# Altium PCB Mynd_Main.PcbDoc (part 4 of 5) (continued)
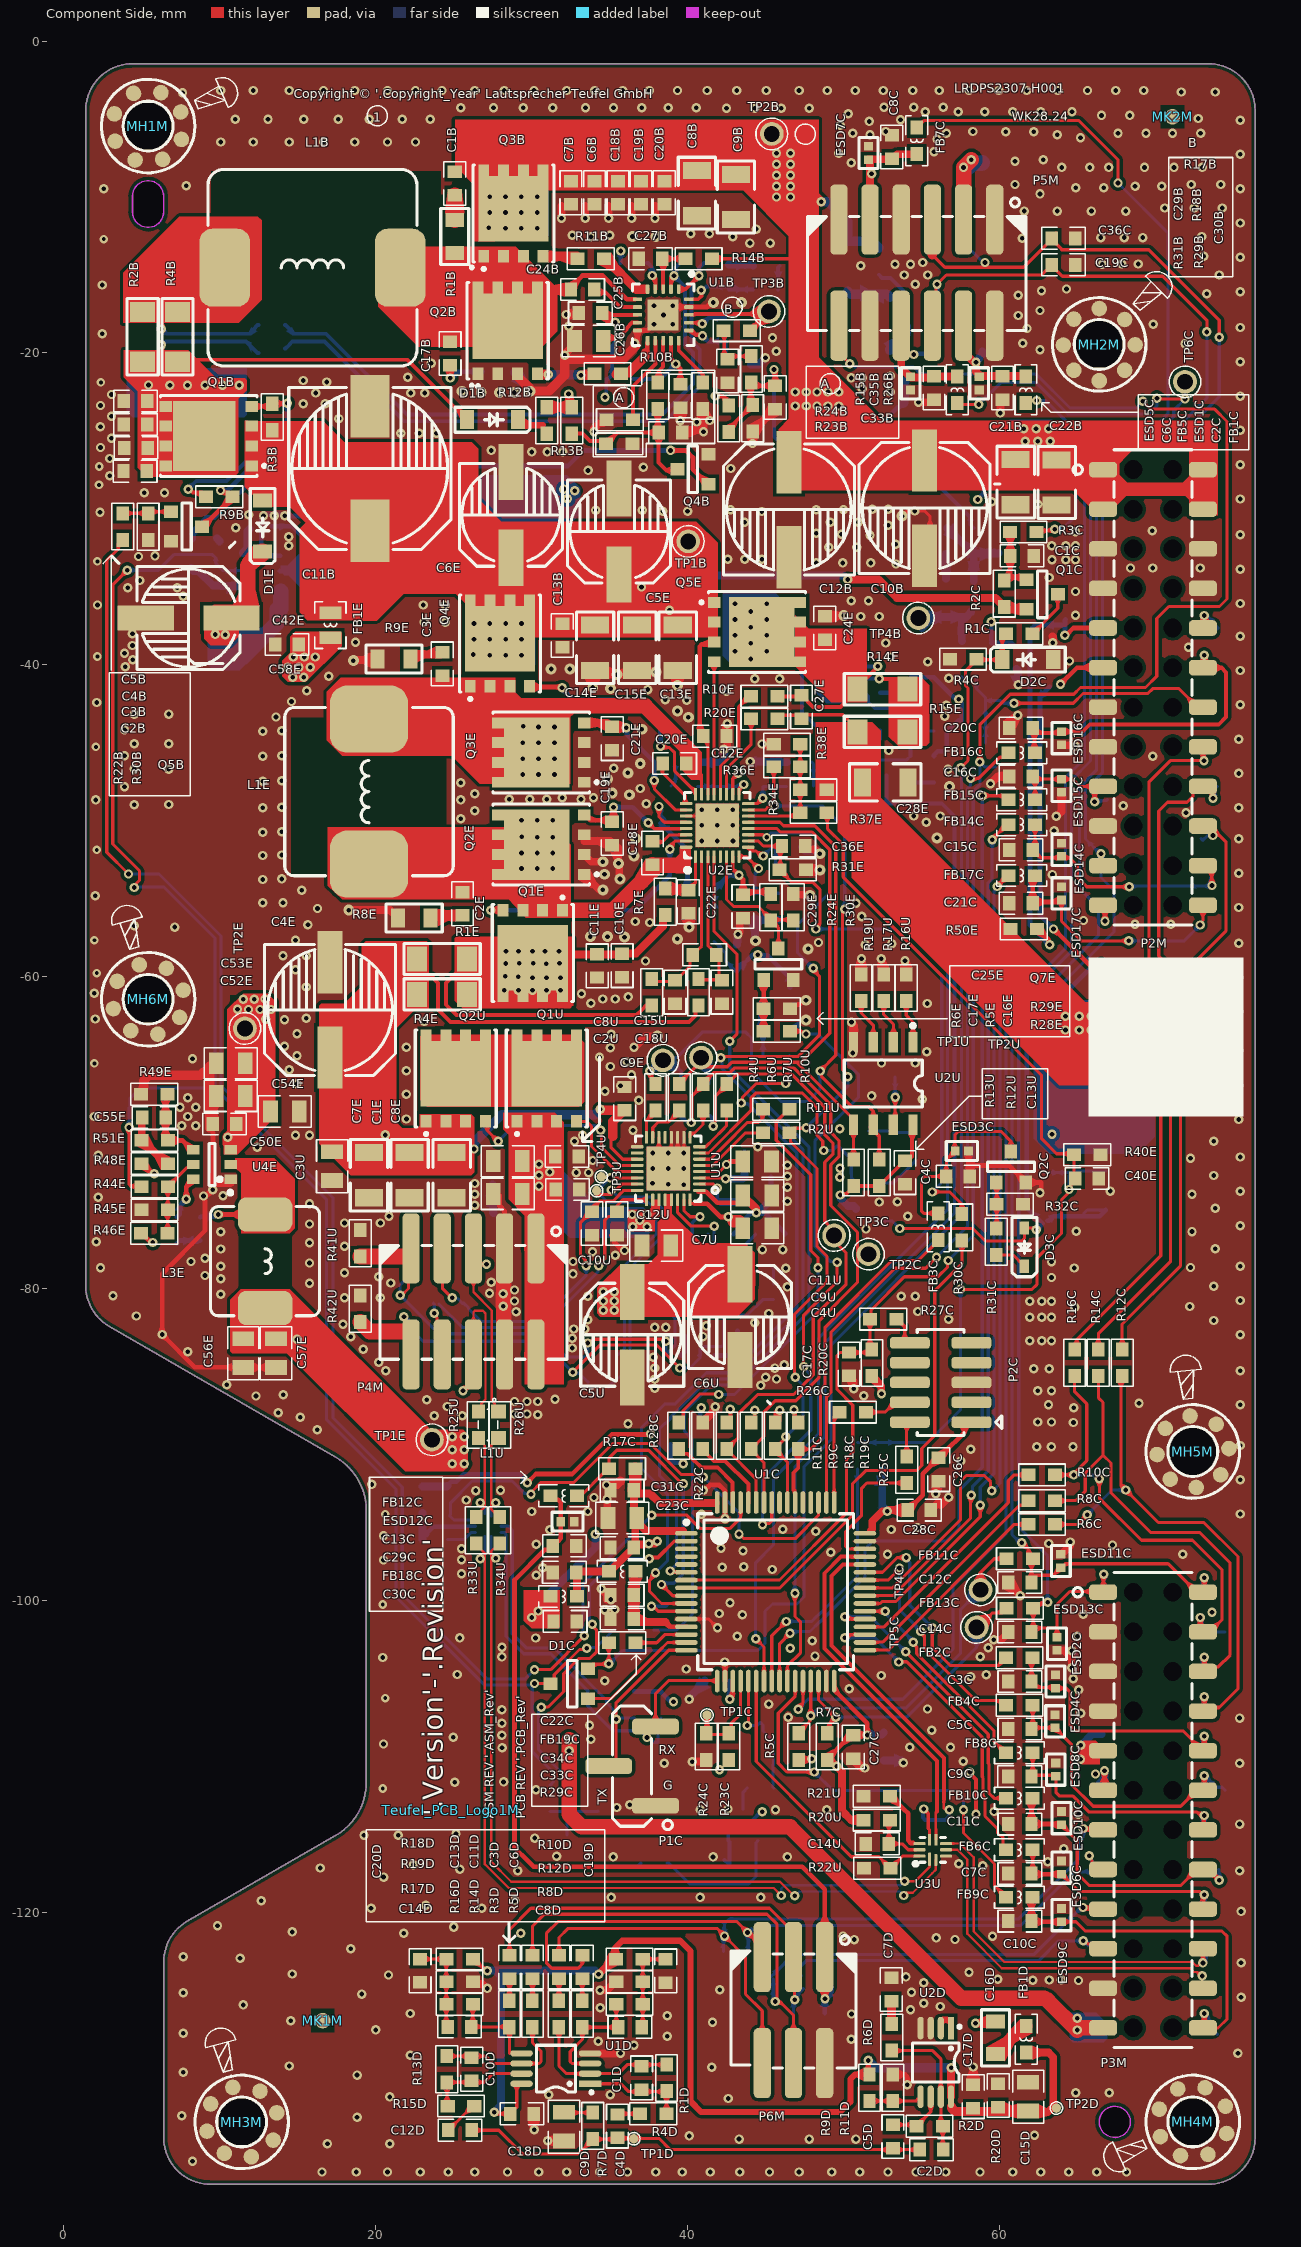
[diagram p0: Component Side view]
## Nets (pads, with @x,y where several pads share a name; then routed paths per layer and width w, separated by ;. In a path a pad name is that pad's centre, name@x,y a point inside that pad or via, vN(x,y) a via of type N, cw(c..) or ccw(c..) an arc to the next point about the centre after c; other vN are vias at no path point) (continued)
NetQ2C_G: Q2C.G R31C.2 R32C.1 | length 2.9
  Component Side w0.2: Q2C.G@59.787,-73.2 59.826,-73.239 R32C.1@59.826,-74.597 R31C.2@59.826,-76.121
NetQ2U_4: Q2U.4 U1U.20 | length 12.6
  Component Side w0.2: Q2U.4@27.037,-69.282 27.15,-69.395 27.15,-69.865 27.332,-70.047 v1(27.851,-70.565) ; v1(34.42,-69.85) 34.48,-69.91 34.48,-70.93 35.658,-72.108 U1U.20@36.762,-72.108
  Solder Side w0.2: v1(27.851,-70.565) 28.866,-69.55 34.072,-69.55 34.372,-69.85 v1(34.42,-69.85)
NetQ3B_4: Q3B.4 R11B.2 | length 2.2
  Component Side w0.6: Q3B.4@30.738,-13.807 R11B.2@32.908,-13.807
NetQ3C_D: Q3C.D R21C.2 | length 1.5
  Solder Side w0.2: Q3C.D@43.561,-113.411 43.561,-112.307 R21C.2@43.829,-112.04
NetQ3C_G: Q3C.G R36C.1 R37C.2 | length 8.8
  Solder Side w0.2: R37C.2@38.671,-116.84 R37C.2@38.721,-116.84 38.771,-116.84 40.118,-118.186 43.915,-118.186 44.386,-117.715 R36C.1@44.386,-116.917 44.386,-115.536 Q3C.G@44.511,-115.411
NetQ3U_G: Q3U.G R8U.2 R15U.1 | length 2.9
  Solder Side w0.2: Q3U.G@51.6,-69.9 52.9,-69.9 R15U.1@53,-70 R8U.2@54.5,-70
NetQ4B_G: Q4B.G Q5B.D R9B.2 | length 38.3
  Component Side w0.3: Q5B.D@8.867,-31.132 8.917,-31.132 10.517,-29.532 10.517,-29.482 10.767,-29.232 R9B.2@10.817,-29.232 ; v1(10.047,-28.816) 10.128,-28.816 10.294,-28.982 10.517,-28.982 10.615,-29.08 R9B.2@10.615,-29.384 ; v1(38.9,-26.25) 39.885,-26.25 40.342,-26.707 40.342,-27.457 Q4B.G@41.367,-28.482
  Solder Side w0.3: v1(10.047,-28.816) 10.05,-28.812 10.504,-28.812 13.066,-26.25 22.117,-26.25 23.117,-27.25 32.3,-27.25 33.3,-26.25 v1(38.9,-26.25)
NetQ4C_D: Q4C.D R37C.1 | length 3.9
  Solder Side w0.2: Q4C.D@33.223,-117.053 36.808,-117.053 R37C.1@37.021,-116.84
NetQ4C_G: Q4C.G R39C.2 R40C.2 R41C.1 | length 4.8
  Solder Side w0.2: R40C.2@31.192,-113.55 32.703,-113.55 R39C.2@32.715,-113.538 ; Q4C.G@32.273,-115.053 32.273,-114.03 32.715,-113.588 R39C.2@32.715,-113.538 ; R41C.1@34.264,-113.523 34.249,-113.538 R39C.2@32.715,-113.538
NetQ4E_4: Q4E.4 U2E.24 | length 15.2
  Component Side w0.2: v1(38.267,-45.232) 38.344,-45.309 38.84,-45.309 39.167,-45.635 39.167,-46.823 39.969,-47.625 40.5,-48.156 U2E.24@40.5,-48.3
  Component Side w0.3: Q4E.4@29.872,-41.382 29.914,-41.424 31.909,-41.424 v1(31.951,-41.465)
  Solder Side w0.3: v1(31.951,-41.465) 31.951,-41.547 32.636,-42.232 36.817,-42.232 38.267,-43.682 v1(38.267,-45.232)
NetQ4U_D: Q4U.D R36U.1 | length 1.3
  Solder Side w0.2: Q4U.D@45.3,-78.5 45.5,-78.7 R36U.1@45.5,-79.7
NetQ5B_G: Q5B.G R22B.2 R30B.1 | length 3.2
  Component Side w0.2: R22B.2@3.767,-30.282 R30B.1@5.418,-30.282 ; R30B.1@5.4,-30.3 R30B.1@5.418,-30.282 ; Q5B.G@6.867,-30.182 5.518,-30.182 R30B.1@5.418,-30.282
NetQ5E_4: Q5E.4 U2E.21 | length 8.5
  Component Side w0.2: U2E.21@41.7,-48.3 Q5E.4@41.7,-39.805
NetQ5U_D: Q5U.D R35U.1 | length 1.4
  Solder Side w0.2: 40.7,-78.6 41.8,-78.6 Q5U.D@42,-78.4
NetQ6B_D: Q6B.D R32B.1 | length 2.9
  Solder Side w0.6: R32B.1@50.267,-16.032 50.467,-16.232 52.767,-16.232 52.817,-16.282 52.867,-16.282 52.967,-16.382 Q6B.D@52.967,-16.432
NetQ6B_G: Q6B.G Q7B.D R34B.1 | length 6.3
  Solder Side w0.25: R34B.1@52.267,-14.982 52.48,-15.195 53.011,-15.195 54.042,-16.226 Q6B.G@54.042,-18.307
  Solder Side w0.6: Q7B.D@52.967,-19.832 52.967,-19.782 54.042,-18.707 Q6B.G@54.042,-18.307
NetQ6E_D: Q6E.D R16E.1 R17E.1 U2E.18 | length 24
  Component Side w0.2: U2E.18@42.9,-48.3 42.9,-47.3 v1(43.25,-46.95)
  Mid Layer 2 w0.2: v1(43.25,-46.95) 45.631,-46.95 46.155,-47.474 46.155,-56.935 v1(44.5,-58.59)
  Solder Side w0.2: R17E.1@41.7,-57.75 42.425,-58.475 42.425,-58.975 R16E.1@43.1,-59.65
  Solder Side w0.3: R16E.1@43.175,-59.65 43.175,-59.6 43.425,-59.35 44.185,-58.59 v1(44.5,-58.59) 44.557,-58.647 45.132,-58.647 46.511,-60.026 46.511,-60.636 Q6E.D@46.575,-60.7
NetQ6E_G: Q6E.G R18E.2 R23E.2 | length 3.5
  Solder Side w0.2: Q6E.G@44.625,-61.65 44.625,-63.25 R23E.2@44.875,-63.5 44.84,-63.535 R18E.2@44.84,-65.072
NetQ6U_D: Q6U.D R40U.2 | length 2.7
  Solder Side w0.3: R40U.2@41.7,-84.3 42.6,-84.3 43.2,-83.7 Q6U.D@43.2,-82.7
NetQ7B_G: Q7B.G R35B.2 R36B.1 | length 3.7
  Solder Side w0.3: R35B.2@52.15,-24.75 52.2,-24.75 53.468,-23.482 53.567,-23.482 R36B.1@53.817,-23.232
  Solder Side w0.6: R36B.1@53.817,-23.232 53.867,-23.182 53.867,-21.882 Q7B.G@53.917,-21.832
NetQ7E_D: Q7E.D R24E.2 R30E.1 U2E.6 | length 9.6
  Component Side w0.2: U2E.6@42.5,-52.3 42.5,-55.05 42.95,-55.5 44.55,-55.5 R24E.2@45.4,-56.35 ; Q7E.D@45.825,-58.1 45.825,-56.85 45.325,-56.35 R24E.2@45.4,-56.35 ; R30E.1@46.825,-56.35 R24E.2@45.4,-56.35
NetQ7E_G: Q7E.G R28E.2 R29E.2 | length 3.3
  Component Side w0.3: R28E.2@44.875,-63.5 Q7E.G@44.875,-60.2
NetQ7U_D: Q7U.D R39U.2 | length 1.3
  Solder Side w0.3: R39U.2@39.6,-84.3 39.6,-84.25 39.7,-84.15 39.724,-84.15 39.9,-83.974 Q7U.D@39.9,-83.089
NetR2U_2: R2U.2 U1U.5 | length 4.9
  Component Side w0.2: U1U.5@40.762,-72.108 41.617,-72.108 42.107,-71.618 42.447,-71.278 43.7,-70.025 44.131,-70.025 R2U.2@44.84,-70.025
NetR3U_1: R3U.1 R5U.2 U1U.2 | length 3.7
  Component Side w0.2: U1U.2@40.762,-73.308 41.658,-73.308 v1(41.9,-73.55)
  Solder Side w0.2: v1(41.9,-73.55) 41.9,-74.2 R3U.1@42.15,-74.45
  Solder Side w0.5: R3U.1@42.15,-74.45 R5U.2@43.65,-74.45
NetR4U_2: R4U.2 U1U.16 | length 2
  Component Side w0.2: U1U.16@37.362,-70.308 37.362,-69.22 37.943,-68.639 R4U.2@37.943,-68.589
NetR6C_1: R6C.1 U1C.33 | length 13.8
  Component Side w0.2: U1C.33@51.369,-103.181 52.9,-103.181 60.95,-95.131 R6C.1@61.878,-95.131
NetR6U_2: R6U.2 U1U.15 | length 2.8
  Component Side w0.2: U1U.15@37.762,-70.308 37.762,-69.683 38.126,-69.319 38.787,-69.319 39.467,-68.639 R6U.2@39.467,-68.589
NetR7U_2: R7U.2 U1U.9 | length 2.2
  Component Side w0.2: U1U.9@40.162,-70.308 40.162,-70.061 40.409,-70.061 40.991,-69.479 R7U.2@40.991,-68.589
NetR8C_1: R8C.1 U1C.34 | length 14.3
  Component Side w0.2: U1C.34@51.375,-102.7 51.394,-102.681 52.511,-102.681 61.285,-93.907 61.578,-93.907 R8C.1@61.878,-93.607
NetR9D_2: R9D.2 R11D.2 U2D.5 | length 3.1
  Component Side w0.2: R9D.2@51.917,-132.107 R11D.2@53.167,-132.107 54.667,-132.107 U2D.5@54.942,-131.832
NetR9U_2: R9U.2 R14U.1 U1U.3 | length 4.4
  Component Side w0.2: U1U.3@40.762,-72.908 v1@42.437,-72.908
  Solder Side w0.5: v1(42.437,-72.958) 43.542,-72.958 43.65,-72.85 R14U.1@43.65,-71.35
NetR10B_1: R10B.1 U1B.11 | length 3.3
  Component Side w0.3: 37.327,-19.992 37.403,-19.915 U1B.11@37.403,-19.357
  Component Side w0.6: R10B.1@35.408,-21.382 35.508,-21.282 36.217,-21.282 37.267,-20.232 37.267,-20.051 37.327,-19.992
NetR10C_1: R10C.1 U1C.36 | length 15.4
  Component Side w0.2: U1C.36@51.375,-101.7 52.603,-101.7 60.569,-93.734 60.569,-92.337 60.95,-91.956 R10C.1@61.878,-91.956
NetR10E_1: R10E.1 U2E.20 | length 7.2
  Component Side w0.2: U2E.20@42.1,-48.3 42.1,-46.525 43.28,-45.345 43.28,-42.695 R10E.1@44.075,-41.9
NetR10U_2: R10U.2 U1U.8 | length 3.3
  Component Side w0.2: U1U.8@40.762,-70.908 41.162,-70.908 41.694,-70.376 42.226,-69.844 42.498,-69.572 42.498,-68.605 R10U.2@42.515,-68.589
NetR11B_1: R11B.1 U1B.5 | length 3.2
  Component Side w0.6: R11B.1@34.838,-14.036 36.708,-15.907 37.258,-15.907
NetR11U_1: R11U.1 U1U.6 | length 5.7
  Component Side w0.2: U1U.6@40.762,-71.708 41.479,-71.708 41.727,-71.46 42.289,-70.898 43.843,-69.345 44.54,-69.345 44.801,-69.083 44.801,-68.539 R11U.1@44.84,-68.501
NetR12E_1: R12E.1 R22E.2 | length 1.5
  Solder Side w0.25: R22E.2@54.3,-47.55 R12E.1@55.8,-47.55
NetR13E_2: R13E.2 U1E.1 | length 3.4
  Solder Side w0.25: R13E.2@51.05,-47.1 51.05,-46.075 52.35,-44.775 U1E.1@52.35,-44.2
NetR14E_1: R14E.1 R15E.2 R21E.2 | length 8.3
  Component Side w0.25: v1(52.3,-40.9) 53.585,-40.9 54.1,-41.415 R15E.2@54.1,-44.3
  Solder Side w0.25: R21E.2@49.05,-40.6 49.325,-40.875 52.275,-40.875 v1(52.3,-40.9)
NetR15B_2: R15B.2 U1B.13 | length 2.8
  Component Side w0.25: R15B.2@38.083,-21.907 38.158,-21.832 38.158,-21.157 38.433,-20.882 U1B.13@38.433,-19.207
NetR16U_1: R16U.1 U2U.1 | length 2.8
  Component Side w0.2: R16U.1@54.025,-61.575 54.025,-62.485 54.453,-62.913 U2U.1@54.453,-64.2
NetR17B_2: R17B.2 TP3B.1 U1B.18 | length 6.8
  Component Side w0.25: U1B.18@40.258,-17.552 40.444,-17.552 40.484,-17.512 45.037,-17.512 TP3B.1@45.217,-17.332 45.217,-17.399 44.051,-18.566 R17B.2@44.001,-18.566
NetR17U_1: R17U.1 U2U.2 | length 2.9
  Component Side w0.2: R17U.1@52.575,-61.575 52.575,-62.432 53.203,-63.06 53.203,-64.026 U2U.2@53.334,-64.157
NetR18E_1: R18E.1 U1C.10 | length 47.7
  Component Side w0.2: v1(37.943,-98.237) 37.943,-98.324 37.562,-98.705 37.562,-99.431 38.331,-100.2 U1C.10@39.925,-100.2 ; v1(43.446,-68.104) 43.523,-68.027 43.523,-67.727 44.4,-66.85 v1(46.3,-66.85)
  Solder Side w0.2: v1(37.943,-98.237) 38.7,-97.48 38.7,-93.2 37.04,-91.54 37.04,-88.914 38.554,-87.4 39.213,-87.4 41.213,-85.4 42.8,-85.4 47,-81.2 47,-71.3 43.849,-68.149 43.492,-68.149 v1(43.446,-68.104) ; v1@46.54,-66.947 R18E.1@46.54,-65.072
NetR18U_2: R18U.2 U2U.7 | length 3.1
  Component Side w0.2: U2U.7@53.183,-69.5 53.31,-69.373 v1(53.31,-67.739)
  Solder Side w0.2: v1(53.31,-67.739) R18U.2@53.31,-66.431
NetR19U_1: R19U.1 U2U.3 | length 3
  Component Side w0.2: R19U.1@51.125,-61.575 51.141,-61.59 51.141,-62.335 51.913,-63.107 U2U.3@51.913,-64.237
NetR20B_2: R20B.2 U1B.4 | length 1.9
  Component Side w0.25: v1(37.733,-15.032) 37.933,-15.232 U1B.4@37.933,-15.907
  Solder Side w0.25: R20B.2@37.408,-14.232 37.458,-14.232 37.733,-14.507 v1(37.733,-15.032)
NetR20E_2: R20E.2 U2E.19 | length 5.5
  Component Side w0.2: U2E.19@42.5,-48.3 42.5,-46.675 44.075,-45.1 R20E.2@44.075,-43.5
NetR21U_2: R21U.2 U3U.8 | length 3.7
  Component Side w0.3: R21U.2@52.978,-112.57 53.028,-112.57 53.917,-113.459 53.945,-113.459 54.149,-113.663 54.149,-115.392 54.324,-115.568 54.463,-115.568
NetR22C_2: R22C.2 U1C.60 | length 5
  Component Side w0.25: R22C.2@40.975,-90.35 41.678,-91.054 41.997,-91.054 41.998,-91.055 42.405,-91.055 43.9,-92.55 U1C.60@43.9,-93.75
NetR22U_2: R22U.2 U1C.22 U3U.10 | length 18.7
  Component Side w0.2: U1C.22@44.4,-105.188 44.4,-110.339 48.744,-114.682 50.503,-116.442 52.278,-116.442 R22U.2@52.978,-117.142 ; R22U.2@53.017,-117.182 53.8,-116.399 U3U.10@54.873,-116.399
NetR24B_1: R24B.1 U1B.12 | length 5.7
  Component Side w0.25: R24B.1@36.508,-24.282 36.508,-22.832 36.508,-22.132 37.933,-20.707 U1B.12@37.933,-19.207
NetR26B_1: R26B.1 U1B.15 | length 3.3
  Component Side w0.25: U1B.15@39.433,-19.207 39.433,-19.848 40.983,-21.398 R26B.1@40.983,-21.907
NetR28C_1: R28C.1 U1C.62 | length 5.7
  Component Side w0.25: R28C.1@39.425,-90.3 39.425,-90.326 39.7,-90.601 40.004,-90.601 40.226,-90.823 40.226,-90.833 40.448,-91.055 40.458,-91.055 40.887,-91.484 41.934,-91.484 42.89,-92.44 U1C.62@42.89,-93.74
NetR28E_1: R28E.1 U1C.57 | length 40.6
  Component Side w0.2: v1(44.8,-95.15) 44.877,-95.073 45.236,-95.073 45.4,-94.91 U1C.57@45.4,-93.75 ; R28E.1@46.575,-63.5 47.311,-63.5 47.487,-63.675 v1(47.595,-63.675) ; v1(47.442,-85) 47.442,-81.715 49.587,-79.57 v1@49.587,-78.318
  Solder Side w0.2: v1(44.8,-95.15) 44.8,-92.2 47.9,-89.1 47.9,-85.532 47.442,-85.074 v1(47.442,-85) ; v1(47.595,-63.675) 48.355,-63.675 50.968,-66.288 50.968,-67.722 48.16,-70.53 48.16,-77.26 49.178,-78.278 49.548,-78.278 v1(49.587,-78.317)
NetR29C_1: R29C.1 U1C.14 | length 3.5
  Component Side w0.2: R29C.1@36.661,-102.718 38.016,-102.718 38.534,-102.2 U1C.14@39.95,-102.2
NetR29U_2: R29U.2 U1C.51 U4U.10 | length 33.3
  Component Side w0.2: v1(29.961,-93.193) 29.961,-93.085 30.616,-92.431 32.719,-92.431 35.209,-89.941 37.604,-89.941 39.596,-91.933 40.683,-91.933 40.723,-91.973 40.777,-91.973 40.892,-92.089 v1(41,-92.089) ; v1(43.3,-95.751) 43.324,-95.751 43.617,-96.044 46.906,-96.044 48.4,-94.55 U1C.51@48.4,-93.725
  Solder Side w0.2: R29U.2@24.738,-94.588 24.9,-94.75 24.926,-94.75 25.026,-94.85 U4U.10@26.35,-94.85 ; R29U.2@24.75,-94.55 24.783,-94.518 24.783,-93.767 26.2,-92.35 28.75,-92.35 29.553,-93.153 29.921,-93.153 v1(29.961,-93.193) ; v1(41,-92.089) 43.3,-94.389 v1(43.3,-95.751)
NetR30C_2: R30C.2 U1C.8 | length 35
  Component Side w0.2: U1C.8@39.95,-99.2 45.928,-99.2 50.577,-94.551 50.577,-92.522 51.417,-91.682 54.684,-91.682 55.017,-91.349 55.017,-90.26 55.85,-89.427 55.85,-80.149 57.592,-78.407 R30C.2@57.592,-76.932
NetR30U_2: R30U.2 U4U.8 | length 2
  Solder Side w0.2: R30U.2@24.6,-96.1 25.675,-96.1 26.125,-95.65 U4U.8@26.4,-95.65
NetR34E_2: R34E.2 R36E.1 R37E.2 R38E.1 U2E.14 | length 7.9
  Component Side w0.2: U2E.14@43.9,-49.7 47,-49.7 R37E.2@47.225,-49.475 ; R37E.2@47.225,-49.575 47.225,-48.125 47.225,-46.6 R38E.1@47.225,-45.075
NetR35C_2: R35C.2 U1C.11 | length 3.4
  Component Side w0.2: v1(37.689,-100.378) 37.797,-100.378 38.119,-100.7 U1C.11@39.925,-100.7
  Solder Side w0.2: v1(37.689,-100.378) 38.622,-100.378 R35C.2@38.7,-100.3
NetR39E_2: R39E.2 U1C.24 | length 16.8
  Component Side w0.2: U1C.24@45.4,-105.15 45.4,-102.274 v1(46.322,-101.352)
  Solder Side w0.2: v1(46.322,-101.352) 47.959,-101.352 48.285,-101.027 48.297,-101.027 48.467,-100.857 48.48,-100.857 48.719,-100.617 50.897,-98.439 R39E.2@50.897,-91.576
NetR41E_1: R41E.1 R43E.1 U3E.4 | length 3.8
  Solder Side w0.5: R41E.1@8.167,-33.782 8.167,-33.832 8.317,-33.982 8.632,-33.982 9.557,-34.907 10.042,-34.907 10.092,-34.957 11.417,-34.957 U3E.4@11.467,-34.907
NetR44E_2: R44E.2 R45E.2 R46E.2 U4E.5 | length 5.2
  Component Side w0.2: R46E.2@6.65,-76.45 6.65,-74.975 R45E.2@6.665,-74.961 R44E.2@6.665,-73.475 6.715,-73.475 7.015,-73.175 7.015,-73.125 7.89,-72.25 8.1,-72.25 U4E.5@8.3,-72.05
NetR47E_2: R47E.2 U4E.6 | length 2.9
  Component Side w0.3: v1(7.851,-74.266) 7.851,-73.475 8.05,-73.276 8.05,-73.15 8.2,-73 U4E.6@8.3,-73
  Solder Side w0.3: R47E.2@7.25,-75.415 7.419,-75.247 7.419,-74.698 v1(7.851,-74.266)
NetU2D_1: U2D.1 U2D.2 | length 1.2
  Component Side w0.3: U2D.2@56.242,-127.432 56.242,-126.857 U2D.1@56.892,-126.857
PD_IO_6: Q6U.G Q7U.G U1U.31 | length 13.5
  Component Side w0.2: U1U.31@39.762,-74.308 39.762,-75 40.162,-75.4 v1(40.8,-75.4)
  Solder Side w0.2: Q7U.G@39.05,-80.1 39.291,-79.859 39.291,-79.417 39.409,-79.3 41.55,-79.3 Q6U.G@42.25,-80 ; v1(40.8,-75.4) 40.692,-75.4 40.526,-75.566 40.517,-75.566 40.3,-75.783 40.3,-77.3 40.61,-77.61 42.506,-77.61 43,-78.104 43,-79.35 42.65,-79.7 42.55,-79.7 Q6U.G@42.25,-80 ; Q6U.G@42.25,-80.1 Q6U.G@42.25,-80
PD_IO_7: Q4U.G Q5U.G U1U.30 | length 7.7
  Component Side w0.2: U1U.30@39.362,-74.308 39.362,-75.138 40.224,-76 v1(41.7,-76)
  Solder Side w0.2: Q5U.G@41.3,-76.504 Q5U.G@41.35,-76.554 ; v1(41.7,-76) 41.7,-77 41.93,-77.23 43.67,-77.23 44.35,-76.55 Q4U.G@44.35,-76.5
PD_SCL: R4U.1 R12U.1 R23U.2 TP1U.1 U2E.13 U2U.6 | length 48.3
  Component Side w0.2: v1(37.582,-66.048) 37.643,-66.109 37.643,-66.589 R4U.1@37.943,-66.889 ; U2E.13@43.9,-50.1 45.925,-50.1 46.15,-50.325 48.148,-50.325 49.5,-51.677 49.5,-65.052 v1(48.504,-66.048) 48.581,-66.125 48.581,-66.379 50.536,-68.334 51.619,-68.334 51.913,-68.628 U2U.6@51.913,-69.5 ; U2U.6@51.713,-69.65 52.294,-70.231 R12U.1@52.294,-71.715
  Solder Side w0.2: v1(37.582,-66.048) 37.656,-66.048 38.339,-65.364 38.959,-65.364 38.959,-65.243 39.024,-65.178 39.328,-65.178 40.944,-63.562 43.732,-63.562 44.102,-63.932 44.102,-66.102 46.008,-68.008 47.697,-68.008 48.504,-67.201 v1(48.504,-66.048) ; TP1U.1@38.959,-65.431 39.594,-66.066 R23U.2@39.594,-67.055
PD_SDA: R6U.1 R13U.1 R24U.2 TP2U.1 U2E.12 U2U.5 | length 38.2
  Component Side w0.2: R6U.1@39.467,-66.889 39.467,-66.839 40.527,-65.779 42.55,-65.779 42.839,-65.49 46.989,-65.49 ; U2E.12@43.9,-50.5 44.63,-50.5 44.635,-50.495 45.72,-50.495 45.95,-50.725 47.991,-50.725 49.118,-51.852 49.118,-63.632 47.26,-65.49 46.989,-65.49 ; R13U.1@50.643,-71.715 U2U.5@50.643,-69.5 50.643,-69.144 46.989,-65.49
  Solder Side w0.2: R24U.2@41.245,-67.016 41.372,-66.889 TP2U.1@41.372,-65.199
SCL: C12C.1 C19C.1 ESD11C.2 FB11C.2 P2M.23 P3M.2 P5M.6 TP8M.1 TP45M.1 TP56M.1 | length 128.1
  Component Side w0.2: P5M.6@55.7,-18.25 55.923,-18.027 55.923,-15.677 v1(56,-15.6) 56.6,-15 62.705,-15 63.005,-14.7 63.055,-14.7 C19C.1@63.355,-14.4 ; v1(61.438,-96.314) 61.862,-96.738 61.862,-97.081 62.073,-97.291 62.056,-97.308 C12C.1@62.056,-98.543 ; C12C.1@62.056,-98.854 C12C.1@62.056,-98.543 ; C19C.1@63.355,-14.35 C19C.1@63.355,-14.4 ; P2M.23@66.65,-55.42 66.772,-55.542 v1(66.772,-56.436) ; v1(73.142,-98.56) 73.142,-99.388 P3M.2@73.05,-99.48 72.65,-99.48 70.82,-97.65 64.224,-97.65 63.967,-97.907 63.917,-97.907 63.742,-98.082 63.742,-98.107 63.459,-98.39 62.209,-98.39 C12C.1@62.056,-98.543 ; v1(73.3,-18.65) 73.3,-17.9 70.48,-15.08 64.035,-15.08 C19C.1@63.355,-14.4
  Solder Side w0.2: v1(56,-15.6) 56.05,-15.65 56.05,-16.35 TP56M.1@56.1,-16.4 ; v1(61.438,-96.314) 61.33,-96.314 60.803,-95.787 60.803,-62.913 66.347,-57.369 66.347,-56.27 ; v1(66.772,-56.436) 66.695,-56.359 66.436,-56.359 66.347,-56.27 ; TP8M.1@73.05,-99.48 73.096,-99.434 73.096,-98.606 v1(73.142,-98.56) ; v1(73.3,-18.65) 73.3,-22.899 70.879,-25.32 67.643,-25.32 66.22,-26.743 66.22,-46.764 65.142,-47.842 65.142,-54.365 TP45M.1@66.347,-55.57 66.347,-56.27
SCL_2: FB11C.1 R5C.2 TP4C.1 U1C.29 | length 22.8
  Component Side w0.2: R5C.2@47.125,-108.525 47.125,-108.475 47.823,-107.777 47.823,-107.477 v1(47.9,-107.4) U1C.29@47.9,-105.175 U1C.29@47.9,-105.15 ; TP4C.1@58.517,-99.108 58.77,-98.855 58.77,-98.22 59.66,-97.33 FB11C.1@60.461,-97.33 FB11C.1@60.169,-97.622
  Solder Side w0.2: v1(47.9,-107.4) 48.39,-106.91 53.997,-106.91 57.495,-103.412 57.495,-100.618 58.517,-99.596 TP4C.1@58.517,-99.42
SDA: C14C.1 C36C.1 ESD13C.2 FB13C.2 P2M.21 P3M.1 P5M.5 TP7M.1 TP43M.1 TP53M.1 | length 128.6
  Component Side w0.2: P5M.5@55.7,-13.7 56.5,-14.5 61.555,-14.5 63.355,-12.7 64,-13.345 64,-13.38 69.58,-13.38 74.1,-17.9 v1(74.1,-19) ; C14C.1@62.056,-102.029 62.161,-101.924 C14C.1@62.161,-101.775 ; v1@62.9,-100.205 62.461,-100.205 FB13C.2@62.161,-100.505 C14C.1@62.161,-101.775 ; C36C.1@63.305,-12.7 C36C.1@63.355,-12.65 ; C36C.1@63.646,-12.3 C36C.1@63.655,-12.3 ; ESD13C.2@63.692,-102.357 63.692,-101.763 ; v1@66.667,-98.432 66.667,-98.982 66.216,-99.433 64.517,-99.433 63.692,-100.258 63.692,-101.763 ; C14C.1@62.161,-101.775 63.68,-101.775 63.692,-101.763
  Component Side w0.6: P5M.5@55.7,-13.7 P5M.5@55.7,-11.45
  Solder Side w0.2: TP53M.1@58.075,-13.492 58.259,-13.492 58.967,-14.2 v1(59.075,-14.2) ; v1(63.089,-100.124) 63.089,-97.145 61.242,-95.298 61.242,-63.236 67.352,-57.126 67.352,-54.476 66.518,-53.642 v1(66.518,-52.118) ; TP7M.1@66.247,-99.48 66.689,-99.038 v1(66.689,-98.324) ; TP43M.1@66.49,-52.14 65.522,-51.172 65.522,-47.999 66.6,-46.921 66.6,-26.9 67.8,-25.7 71.216,-25.7 74.1,-22.816 v1(74.1,-19)
SDA_2: FB13C.1 R7C.2 TP5C.1 U1C.30 | length 18.6
  Component Side w0.2: U1C.30@48.4,-105.15 48.4,-106.39 v1(49.5,-107.49) 49.098,-107.892 49.098,-108.534 R7C.2@48.95,-108.681 ; TP5C.1@58.644,-101.394 58.967,-101.394 59.556,-100.805 60.161,-100.805 FB13C.1@60.461,-100.505
  Solder Side w0.2: v1(49.5,-107.49) 54.052,-107.49 58.537,-103.005 TP5C.1@58.537,-101.735
StepUp_Ena: R22B.1 U1C.61 | length 109
  Component Side w0.2: R22B.1@3.767,-31.982 3.481,-32.269 3.481,-32.569 2.751,-33.299 2.751,-52.027 v1(4.14,-53.416) ; v1(30.18,-104.445) 31.215,-104.445 v1(33.38,-102.28) ; v1(37.691,-94.536) 39.944,-94.536 40.808,-95.4 42.7,-95.4 43.4,-94.7 U1C.61@43.4,-93.75
  Solder Side w0.2: v1(4.14,-53.416) 6.104,-53.416 10.08,-57.393 10.08,-66.993 17.251,-74.163 17.251,-88.278 21.7,-92.728 21.7,-99.622 27.117,-105.04 29.585,-105.04 v1(30.18,-104.445) ; v1(33.38,-102.28) 33.304,-102.204 33.304,-98.924 v1(37.691,-94.536)
SWCLK: R26C.1 U1C.49 | length 6
  Component Side w0.2: U1C.49@49.4,-93.75 49.4,-88.225 49.7,-87.925 R26C.1@49.75,-87.925
SWDIO: R25C.1 U1C.46 | length 8.5
  Component Side w0.2: U1C.46@51.375,-96.7 50.31,-96.7 50.142,-96.532 50.142,-95.582 51.142,-94.582 51.142,-92.832 51.499,-92.475 R25C.1@54.05,-92.475
UART1_RX: FB2C.1 U1C.43 | length 15
  Component Side w0.2: U1C.43@51.35,-98.2 52.499,-98.2 53.442,-97.257 v1(54.017,-97.257) ; v1(55.695,-101.759) 55.695,-103.017 56.866,-104.188 59.926,-104.188 60.084,-104.03 60.084,-103.98 60.384,-103.68 FB2C.1@60.434,-103.68
  Solder Side w0.2: v1(54.017,-97.257) 54.017,-97.341 54.251,-97.574 54.251,-100.315 v1(55.695,-101.759)
UART1_TX: FB4C.1 U1C.42 | length 15.2
  Component Side w0.2: U1C.42@51.375,-98.7 52.878,-98.7 53.589,-97.989 v1(53.589,-97.93) ; v1(54.953,-101.998) 54.953,-102.068 55.2,-102.315 55.2,-103.157 58.471,-106.428 60.134,-106.428 FB4C.1@60.434,-106.728
  Solder Side w0.2: v1(53.589,-97.93) 53.589,-100.597 54.953,-101.96 v1(54.953,-101.998)
UART2_RX: P1C.3 R34C.2 TP7C.1 U1C.17 U4U.5 | length 28.9
  Component Side w0.2: v1(37.4,-108.8) 37.4,-108.49 37.798,-108.092 P1C.3@37.942,-108.092 37.942,-105.982 38.774,-105.15 U1C.17@41.9,-105.15
  Solder Side w0.2: U4U.5@28.05,-95.65 28.325,-95.65 28.325,-95.746 28.346,-95.767 28.346,-102.284 29.491,-103.429 31.229,-103.429 33.6,-105.8 33.6,-106.77 35.192,-108.362 36.962,-108.362 v1(37.4,-108.8) ; TP7C.1@37.606,-108.877 37.829,-109.1 TP7C.1@38.1,-109.1 38.1,-107.75 R34C.2@38.3,-107.55
UART2_TX: P1C.2 R33C.2 TP8C.1 U1C.16 U4U.4 | length 28.3
  Component Side w0.2: P1C.2@34.942,-110.632 P1C.2@35.1,-110.474 ; P1C.2@35.42,-110.869 35.42,-106.564 38.784,-103.2 U1C.16@39.925,-103.2
  Solder Side w0.2: U4U.4@28.05,-95.25 28.492,-95.25 28.753,-95.511 28.753,-102.153 29.649,-103.049 31.449,-103.049 TP8C.1@34.8,-106.4 34.8,-106.586 35.343,-107.129 35.343,-107.543 v1(35.42,-107.62) ; v1@35.505,-107.55 R33C.2@36.6,-107.55
USB-CC1: C10U.1 C16U.1 P4M.7 TP57M.1 U1U.24 | length 21
  Component Side w0.2: P4M.7@24.267,-78.381 24.27,-78.384 24.27,-79.982 24.883,-80.595 v1(24.9,-80.595) ; v1(33.49,-78.54) 33.433,-78.483 33.433,-78.148 33.127,-77.842 33.127,-75.777 33.567,-75.337 C10U.1@33.567,-75.087 ; C10U.1@33.667,-75.087 33.717,-75.087 34.017,-74.787 34.017,-74.737 34.358,-74.396 35.221,-74.396 35.909,-73.708 U1U.24@36.762,-73.708
  Solder Side w0.2: v1(24.9,-80.595) 24.95,-80.645 25.25,-80.645 C16U.1@25.575,-80.97 ; C16U.1@25.6,-80.945 25.65,-80.945 25.95,-81.245 25.95,-81.295 26.767,-82.112 30.538,-82.112 33.49,-79.16 v1(33.49,-78.54)
USB-CC2: C12U.1 C17U.1 P4M.8 TP58M.1 U1U.25 | length 22.4
  Component Side w0.2: 23.925,-81.873 23.925,-83.89 P4M.8@24.267,-84.232 ; v1(34.3,-78.55) 34.3,-78.475 34.687,-78.088 34.687,-75.617 34.917,-75.387 35.117,-75.387 35.117,-75.087 35.417,-74.787 35.417,-74.737 35.846,-74.308 U1U.25@37.362,-74.308
  Solder Side w0.2: C17U.1@23.7,-80.945 23.755,-81 v1(23.755,-81.595) ; C17U.1@24.055,-81 25.547,-82.492 30.695,-82.492 34.244,-78.943 34.244,-78.606 v1(34.3,-78.55)
USB_AJ_N: L1U.3 R25U.2 R33U.1 U4U.1 | length 6.5
  Component Side w0.15: R33U.1@26.283,-94.717 26.283,-94.667 26.675,-94.275 26.725,-94.275 26.996,-94.004 26.996,-92.179 26.996,-90.081 26.565,-89.65 R25U.2@26.565,-89.6
  Solder Side w0.15: v1(26.7,-93.75) 26.746,-93.75 27,-94.004 U4U.1@27,-94.45
USB_AJ_P: L1U.4 R26U.2 R34U.1 U4U.2 | length 6.6
  Component Side w0.15: 27.524,-94.275 27.4,-94.151 27.4,-92.346 27.4,-90.063 27.488,-89.975 R26U.2@27.625,-89.975 ; 27.525,-94.275 R34U.1@27.8,-94.55 ; R26U.2@27.625,-89.975 L1U.4@27.625,-89.6 R26U.2@27.95,-89.6
  Solder Side w0.15: U4U.2@27.4,-94.6 27.404,-94.596 27.404,-94.046 v1(27.7,-93.75)
USB_B_N: P3M.20 TP32M.1 U3U.5 | length 24.3
  Component Side w0.15: U3U.5@56.573,-115.599 57.47,-115.599 58.343,-116.472 58.343,-117.61 58.343,-121.223 60.315,-123.195 72.368,-123.195 72.613,-123.44 72.742,-123.44 72.928,-123.254 v1(73.05,-123.254) P3M.20@73.05,-122.34
  Solder Side w0.15: v1(73.05,-123.254) 73.068,-123.236 73.068,-123.083 73.5,-122.651
USB_B_P: P3M.22 TP36M.1 U3U.4 | length 22.6
  Component Side w0.15: U3U.4@56.573,-115.999 57.304,-115.999 57.943,-116.638 57.943,-118.974 57.943,-121.389 60.149,-123.595 72.202,-123.595 72.447,-123.84 72.679,-123.84 72.926,-124.087 v1(73.015,-124.087) ; 57.935,-118.974 57.935,-118.965 57.939,-118.961 57.939,-118.932
USB_BJ_N: R33U.2 U3U.1 U4U.7 | length 52.9
  Component Side w0.15: R33U.2@26.6,-96.6 27,-97 27,-116.921 28.529,-118.45 45.521,-118.45 v1(45.997,-118.927) ; v1(53.917,-118.007) 54.614,-118.007 55.523,-117.098 U3U.1@55.523,-116.599
  Solder Side w0.15: v1(26.7,-97.33) 27,-97.03 U4U.7@27,-95.9 ; v1(45.997,-118.927) 45.997,-118.496 46.226,-118.267 53.657,-118.267 v1(53.917,-118.007)
USB_BJ_P: R34U.2 U3U.2 U4U.6 | length 53
  Component Side w0.15: R34U.2@27.9,-96.35 27.4,-96.85 27.4,-116.75 28.696,-118.046 45.917,-118.046 46.823,-118.952 v1(46.872,-118.952) ; v1@53.862,-118.753 54.44,-118.753 55.69,-117.502 ; 55.688,-117.499 55.923,-117.264 U3U.2@55.923,-116.649
  Solder Side w0.15: U4U.6@27.4,-95.9 27.4,-97 v1(27.7,-97.3) ; v1(46.872,-118.952) 46.905,-118.952 47.185,-118.671 53.607,-118.671 v1(53.867,-118.932)
USB_J_N: L1U.2 P4M.6 R25U.1 TP55M.1 | length 11
  Component Side w0.15: v1(25.6,-86.55) 25.624,-86.55 26.184,-85.991 26.184,-85.866 P4M.6@26.1,-85.95 ; P4M.6@26.267,-84.132 26.267,-81.52 26.355,-81.432 26.877,-81.432 27.042,-81.597 27.042,-87.108 26.775,-87.375 L1U.2@26.775,-87.9
USB_J_P: L1U.1 P4M.5 R26U.1 TP54M.1 | length 12.1
  Component Side w0.15: P4M.5@26.267,-77.432 P4M.5@26.267,-77.99 ; v1(27.1,-78.45) 26.727,-78.45 P4M.5@26.267,-77.99 ; L1U.1@27.625,-87.9 27.625,-87.375 27.446,-87.196 27.446,-81.883 27.446,-81.411 26.267,-80.232 P4M.5@26.267,-77.99
USB_M_N: U1C.44 U3U.7 | length 25.6
  Component Side w0.15: 56.434,-112.782 56.434,-113.324 56.467,-113.357 56.705,-113.357 v1(56.78,-113.432)
  Component Side w0.2: v1(55.142,-113.382) 55.433,-113.673 55.433,-114.641 55.523,-114.731 U3U.7@55.523,-115.349
  Component Side w0.25: U1C.44@51.35,-97.7 49.975,-97.7 49.225,-98.45 49.225,-102.897 56.434,-110.106 56.434,-112.782
  Solder Side w0.25: v1(55.142,-113.382) 55.092,-113.432 55.092,-113.929 55.238,-114.075 56.537,-114.075 56.752,-113.859 56.752,-113.459 v1(56.78,-113.432)
USB_M_P: U1C.45 U3U.6 | length 23.1
  Component Side w0.15: 55.923,-114.682 55.923,-113.594 55.98,-113.537 55.98,-113.532
  Component Side w0.2: U3U.6@55.923,-115.349 55.923,-114.682
  Component Side w0.25: U1C.45@51.35,-97.2 49.839,-97.2 48.775,-98.264 48.775,-103.082 55.985,-110.292 55.985,-113.532
USB_PD_N: R38U.2 TP3U.1 U1U.23 | length 19.8
  Component Side w0.2: TP3U.1@34.133,-73.962 35.117,-73.962 v1@35.249,-73.83 ; v1(35.106,-73.687) v1@35.249,-73.83 ; U1U.23@36.762,-73.308 35.771,-73.308 v1@35.249,-73.83
  Solder Side w0.18: R38U.2@34.934,-86.366 34.934,-86.266 35.21,-85.99 35.31,-85.99 36.315,-84.985 36.315,-78.685 38.35,-76.65 38.35,-74.85 37.634,-74.134 35.552,-74.134 v1(35.106,-73.687)
USB_PD_P: R37U.1 TP4U.1 U1U.22 | length 17.3
  Component Side w0.2: v1(35.038,-72.908) U1U.22@36.762,-72.908
  Solder Side w0.18: v1(35.038,-72.908) 34.5,-73.446 34.5,-74.106 34.887,-74.494 37.485,-74.494 37.99,-74.999 37.99,-76.501 35.955,-78.536 35.955,-83.845 R37U.1@35.547,-84.253